# Altium PCB PCB_15122020_01CA.PcbDoc (part 2 of 5) (continued)
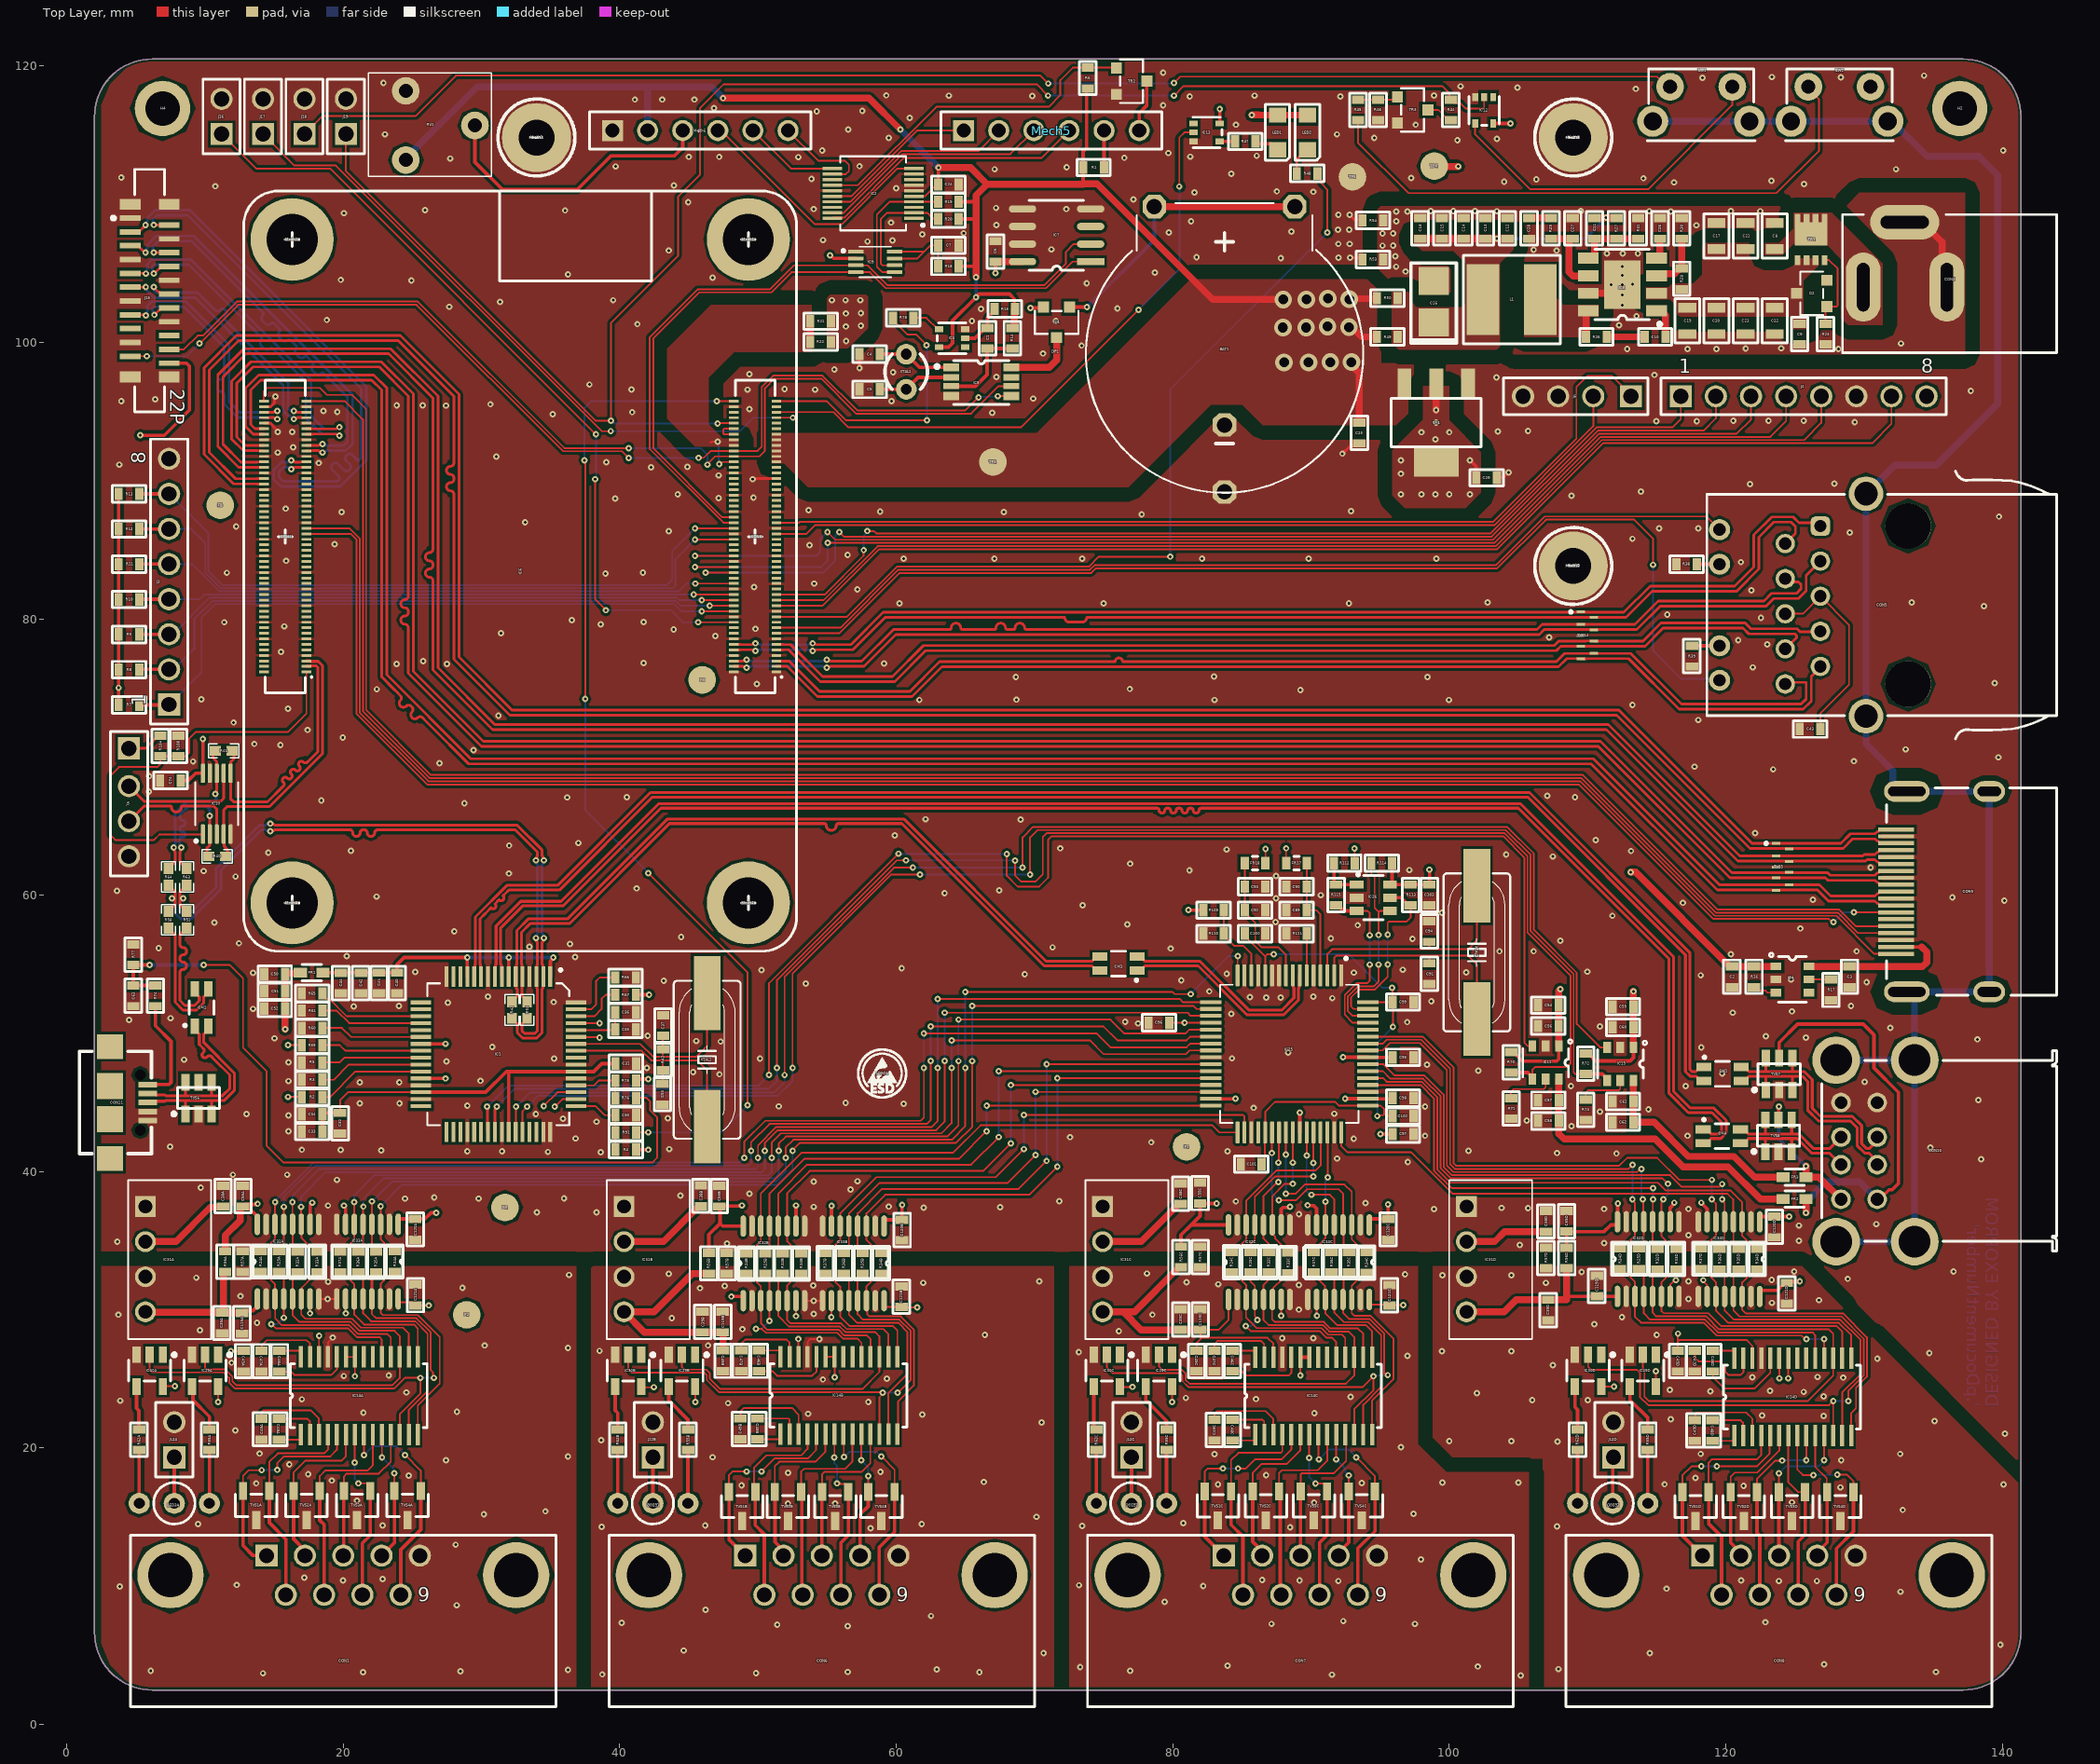
[diagram p0: Top Layer view]
## Part data (continued)
RV1: "10k TRIMPOT", Manufacturer="KLS ELECTRONIC", Category="Resistor- Trimpot", Manufacturer Part Number=L-KLS4-WH06-2A-103, Supplier 1=Özdisan, Supplier Part Number 1=L-KLS4-WH06-2A-103
SW1 SW2: "Tactile Switches 6MM HGH TMP W/SQ ACT R/A TACT SWITCH", Color=Blue, Contact Resistance=100mR, Current Rating=50mA, Manufacturer="TE Connectivity", Max Operating Temperature=85°C, Max Voltage Rating (DC)=24V, Min Operating Temperature=-35°C, Operating Force=1.6N, Package Quantity=1000, Supplier Part Number 1=450-1648-ND, Category="Switches - Tactile Switches", ComponentLink1Description=https://www.alliedelec.com/m/d/d91cbe9e9b8a2a421b86c2a931ba0084.pdf?src-supplier=Allied+Electronics, ComponentLink1URL=https://www.alliedelec.com/m/d/d91cbe9e9b8a2a421b86c2a931ba0084.pdf?src-supplier=Allied+Electronics, ComponentLink2Description=http://www.mouser.com/ds/2/418/NG_CD_1825968_B-122456.pdf?src-supplier=Mouser, ComponentLink2URL=http://www.mouser.com/ds/2/418/NG_CD_1825968_B-122456.pdf?src-supplier=Mouser, ComponentLink3Description=http://www.onlinecomponents.com/productFiles/mf-AO/tyco-tactile.pdf?src-supplier=Onlinecomponents.com, ComponentLink3URL=http://www.onlinecomponents.com/productFiles/mf-AO/tyco-tactile.pdf?src-supplier=Onlinecomponents.com, ComponentLink4Description=http://www.farnell.com/datasheets/2074938.pdf?src-supplier=Element14, ComponentLink4URL=http://www.farnell.com/datasheets/2074938.pdf?src-supplier=Element14, Contact Material=Silver, Contact Plating=Silver, Electrical Life=500000Cycles, Illumination Type=Illuminated, Manufacturer Part Number=FSMRACDAH, Mechanical Life=500000Cycles, Mount="Through Hole,PCB", Orientation="Right Angle", Pricing 1="1 = 0,25000, 10 = 0,23700, 25 = 0,22480, 100 = 0,20350, 250 = 0,18556, 500 = 0,17246, 1000 = 0,14713, 2500 = 0,14304, 5000 = 0,13487 (USD)", REACH SVHC="No SVHC", RoHS=Yes, RoHS Compliant=Yes, Series=FSM, Stock 1=12268, Supplier 1=Digi-Key, Termination=Solder, Throw Configuration=SPST, Voltage Rating (AC)=24V, Voltage Rating (DC)=24V
TP3 TP4 TP5: "test ölçüm noktasý", Category=TestPoint
TR1: "MOSFET BVDSS: 25V 30V POWERDI333", Continuous Drain Current (ID)=35A, Drain to Source Voltage (Vdss)=30V, Input Capacitance=1.674nF, Manufacturer=Diodes, Max Operating Temperature=150°C, Max Power Dissipation=940mW, Min Operating Temperature=-55°C, Supplier Part Number 1=DMP3013SFV-7DICT-ND, Category="Mosfet P-Channel", ComponentLink1Description=https://www.diodes.com/assets/Datasheets/DMP3013SFV.pdf?src-supplier=Digi-Key, ComponentLink1URL=https://www.diodes.com/assets/Datasheets/DMP3013SFV.pdf?src-supplier=Digi-Key, Manufacturer Part Number=DMP3013SFV-7, Mount="Surface Mount", Number of Pins=8, Packaging="Tape and Reel", Pricing 1="1 = 0,55000, 10 = 0,46900, 25 = 0,43760, 100 = 0,32500, 500 = 0,25376, 1000 = 0,20625 (USD)", Rds On Max=9.5mR, RoHS=No, Stock 1=611, Supplier 1=Digi-Key
TR2 TR3: "TRANS NPN 45V 0.1A SOT23", Manufacturer=Nexperia, Supplier Part Number 1=1727-4855-1-ND, Category=Transistor-BJT, ComponentLink1Description=http://www.farnell.com/datasheets/1856333.pdf?src-supplier=Farnell, ComponentLink1URL=http://www.farnell.com/datasheets/1856333.pdf?src-supplier=Farnell, ComponentLink2Description=https://assets.nexperia.com/documents/data-sheet/BC847_SER.pdf?src-supplier=Digi-Key, ComponentLink2URL=https://assets.nexperia.com/documents/data-sheet/BC847_SER.pdf?src-supplier=Digi-Key, ComponentLink3Description=http://www.farnell.com/datasheets/1856333.pdf?src-supplier=Newark, ComponentLink3URL=http://www.farnell.com/datasheets/1856333.pdf?src-supplier=Newark, ComponentLink4Description=http://www.farnell.com/datasheets/1856333.pdf?src-supplier=Element14, ComponentLink4URL=http://www.farnell.com/datasheets/1856333.pdf?src-supplier=Element14, Manufacturer Part Number=BC847,215, Pricing 1="1=0,14000, 10=0,12500, 100=0,06800, 500=0,04186, 1000=0,02854 (USD)", RoHS=No, Stock 1=236151, Supplier 1=Digi-Key
TVS1A TVS1B TVS1C TVS1D TVS2A TVS2B TVS2C TVS2D TVS3A TVS3B TVS3C TVS3D TVS4A TVS4B TVS4C TVS4D: "TVS DIODE 12V 37V SOT23", Manufacturer=Nexperia, Supplier Part Number 1=1727-3809-1-ND, Category="Circuit Protection - TVS - Diodes", ComponentLink1Description=http://www.farnell.com/datasheets/698115.pdf?src-supplier=Farnell, ComponentLink1URL=http://www.farnell.com/datasheets/698115.pdf?src-supplier=Farnell, ComponentLink2Description=https://assets.nexperia.com/documents/data-sheet/PESDXL2BT_SER.pdf?src-supplier=Digi-Key, ComponentLink2URL=https://assets.nexperia.com/documents/data-sheet/PESDXL2BT_SER.pdf?src-supplier=Digi-Key, ComponentLink3Description=http://www.farnell.com/datasheets/698115.pdf?src-supplier=Newark, ComponentLink3URL=http://www.farnell.com/datasheets/698115.pdf?src-supplier=Newark, Manufacturer Part Number=PESD12VL2BT,215, Pricing 1="1 = 0,44000, 10 = 0,35700, 100 = 0,24320, 500 = 0,18240, 1000 = 0,13680 (USD)", RoHS=Yes, RoHS Compliant=Yes, Stock 1=13763, Supplier 1=Digi-Key
TVS5 TVS12: "TVS DIODE 5V 10.5V DFN3810-9", Manufacturer="Wurth Electronics", Supplier Part Number 1=732-11797-1-ND, Category="Circuit Protection - TVS - Diodes", ComponentLink1Description=https://katalog.we-online.de/pbs/datasheet/824014885.pdf?src-supplier=Digi-Key, ComponentLink1URL=https://katalog.we-online.de/pbs/datasheet/824014885.pdf?src-supplier=Digi-Key, Manufacturer Part Number=824014885, Pricing 1="1 = 1,19000, 10 = 1,08000, 100 = 0,97000, 500 = 0,85000, 1000 = 0,76000 (USD)", RoHS=No, Stock 1=5123, Supplier 1=Digi-Key
TVS6 TVS7 TVS8: "WURTH ELEKTRONIK - 824015 - TVS Diode, 82401 Series, Bidirectional, 5 V, 13 V, SOT-23, 6 Pins", Breakdown Voltage=6.1V, Capacitance=2pF, Case/Package=SOT-23, Clamping Voltage=7.8V, Manufacturer="Wurth Electronics", Max Operating Temperature=125°C, Max Reverse Leakage Current=5A, Max Surge Current=12A, Min Breakdown Voltage=6V, Min Operating Temperature=-55°C, Package Quantity=3000, Peak Pulse Current=4A, Power Line Protection=Yes, Reverse Standoff Voltage=5V, Supplier Part Number 1=732-4467-1-ND, Test Current=1mA, Category="Circuit Protection - TVS - Diodes", ComponentLink1Description=https://datasheet.ciiva.com/15063/824015-15063920.pdf?src-supplier=Digi-Key, ComponentLink1URL=https://datasheet.ciiva.com/15063/824015-15063920.pdf?src-supplier=Digi-Key, ComponentLink2Description=https://datasheet.ciiva.com/26308/824015-eng-tds-26308060.pdf?src-supplier=Distrelec, ComponentLink2URL=https://datasheet.ciiva.com/26308/824015-eng-tds-26308060.pdf?src-supplier=Distrelec, Direction=Unidirectional, ESD Protection=Yes, Height=1.16mm, Length=2.9mm, Manufacturer Part Number=824015, Max Breakdown Voltage=6.1V, Mount="Surface Mount", Number of Bidirectional Channels=4, Number of Channels=4, Number of Pins=6, Operating Supply Voltage=6V, Packaging="Tape and Reel", Polarity=Bidirectional, Pricing 1="1 = 0,85000, 10 = 0,80600, 50 = 0,75300, 100 = 0,69900, 500 = 0,61800 (USD)", REACH SVHC=Unknown, RoHS=Yes, Stock 1=15203, Supplier 1=Digi-Key, Termination=SMD/SMT, Width=2.8mm, Working Voltage=5V
VR1: "TEXAS INSTRUMENTS   LM1117MPX-3.3/NOPB.   LINEAR REG, FIX, 3.3V, 800MA, SOT-223-4, FULL REEL", Case/Package=SOT-223, Current Rating=800mA, Dropout Voltage=1.2V, Manufacturer="Texas Instruments", Max Input Voltage=15V, Max Operating Temperature=125°C, Max Output Voltage=3.3V, Min Input Voltage=2.6V, Min Operating Temperature=-40°C, Output Voltage Accuracy=1%, Quiescent Current=10mA, Supplier Part Number 1=LM1117MPX-3.3/NOPBCT-ND, Accuracy=1%, Category="Integrated Circuits (ICs) - PMIC - Voltage Reference", ComponentLink1Description=https://datasheet.ciiva.com/49027/1882372-49027926.pdf?src-supplier=Element14, ComponentLink1URL=https://datasheet.ciiva.com/49027/1882372-49027926.pdf?src-supplier=Element14, Contact Plating=Tin, Height=1.6mm, Lead Free="Lead Free", Length=6.5mm, Manufacturer Part Number=LM1117MPX-3.3/NOPB, Max Output Current=800mA, Mount="Surface Mount", Nominal Output Voltage=3.3V, Number of Outputs=1, Number of Pins=4, Output Current=800mA, Output Type=Fixed, Output Voltage=3.3V, Packaging="Tape and Reel", Polarity=Positive, Pricing 1="1 = 1,14000, 10 = 1,01500, 100 = 0,79120, 500 = 0,65364, 1000 = 0,51603 (USD)", REACH SVHC="No SVHC", RoHS=Yes, Stock 1=74620, Supplier 1=Digi-Key, Width=3.56mm
XTAL1: library part AB26T-32.768KHZ, "CRYSTAL 32.7680KHZ 12.5PF T/H", Case/Package=Radial, ESR (Equivalent Series Resistance)=35kR, Frequency=32.768kHz, Frequency Stability=-0.034ppm, Frequency Tolerance=20ppm, Load Capacitance=12.5pF, Manufacturer=Abracon, Max Operating Temperature=60°C, Min Operating Temperature=-10°C, Package Quantity=500, Supplier Part Number 1=535-9032-ND, Category=Crystals, ComponentLink1Description=https://datasheet.ciiva.com/3174/ab26t-3174133.pdf?src-supplier=Avnet, ComponentLink1URL=https://datasheet.ciiva.com/3174/ab26t-3174133.pdf?src-supplier=Avnet, ComponentLink2Description=https://datasheet.ciiva.com/16506/ab26t-16506517.pdf?src-supplier=Future+Electronics, ComponentLink2URL=https://datasheet.ciiva.com/16506/ab26t-16506517.pdf?src-supplier=Future+Electronics, ComponentLink3Description=https://datasheet.ciiva.com/15223/getdatasheetpartid-720060-15223238.pdf?src-supplier=Verical, ComponentLink3URL=https://datasheet.ciiva.com/15223/getdatasheetpartid-720060-15223238.pdf?src-supplier=Verical, ComponentLink4Description=https://datasheet.ciiva.com/854/ab26t-854460.pdf?src-supplier=Digi-Key, ComponentLink4URL=https://datasheet.ciiva.com/854/ab26t-854460.pdf?src-supplier=Digi-Key, Height=0.244inch, Lead Free="Lead Free", Lead Pitch=0.8mm, Length=2.1mm, Manufacturer Part Number=AB26T-32.768KHZ, Mount="Through Hole", Packaging=Bulk, Pricing 1="1 = 0,21000, 10 = 0,17500, 50 = 0,15760, 100 = 0,14000, 500 = 0,13300, 1000 = 0,11200, 2500 = 0,10500, 5000 = 0,10150, 10000 = 0,09800 (USD)", REACH SVHC=Unknown, RoHS=Yes, Series Resistance=35kR, Stock 1=5808, Supplier 1=Digi-Key, Termination=Radial, Tolerance=20ppm
XTAL2: library part ABLS-24.000MHZ-B2-T, "CRYSTAL 24.0000MHZ 18PF SMD", Case/Package=SMD/SMT, ESR (Equivalent Series Resistance)=40R, Frequency=24MHz, Frequency Stability=50ppm, Frequency Tolerance=20ppm, Load Capacitance=18pF, Manufacturer=Abracon, Max Operating Temperature=70°C, Min Operating Temperature=-20°C, Package Quantity=1000, Supplier Part Number 1=535-9076-1-ND, Category=Crystals, ComponentLink1Description=https://datasheet.ciiva.com/26927/getdatasheetpartid-771243-26927969.pdf?src-supplier=Verical, ComponentLink1URL=https://datasheet.ciiva.com/26927/getdatasheetpartid-771243-26927969.pdf?src-supplier=Verical, ComponentLink2Description=https://datasheet.ciiva.com/15116/getdatasheetpartid-719917-15116794.pdf?src-supplier=Verical, ComponentLink2URL=https://datasheet.ciiva.com/15116/getdatasheetpartid-719917-15116794.pdf?src-supplier=Verical, ComponentLink3Description=https://datasheet.ciiva.com/854/abls-854291.pdf?src-supplier=Digi-Key, ComponentLink3URL=https://datasheet.ciiva.com/854/abls-854291.pdf?src-supplier=Digi-Key, ComponentLink4Description=https://datasheet.ciiva.com/854/abls-854292.pdf?src-supplier=Digi-Key, ComponentLink4URL=https://datasheet.ciiva.com/854/abls-854292.pdf?src-supplier=Digi-Key, ComponentLink5Description=https://datasheet.ciiva.com/854/abls-854293.pdf?src-supplier=Digi-Key, ComponentLink5URL=https://datasheet.ciiva.com/854/abls-854293.pdf?src-supplier=Digi-Key, ComponentLink6Description=https://datasheet.ciiva.com/3175/abls-3175381.pdf?src-supplier=Avnet, ComponentLink6URL=https://datasheet.ciiva.com/3175/abls-3175381.pdf?src-supplier=Avnet, ComponentLink7Description=https://datasheet.ciiva.com/7998/abls-7998426.pdf?src-supplier=Element14, ComponentLink7URL=https://datasheet.ciiva.com/7998/abls-7998426.pdf?src-supplier=Element14, ComponentLink8Description=https://datasheet.ciiva.com/16296/abls-16296138.pdf?src-supplier=Future+Electronics, ComponentLink8URL=https://datasheet.ciiva.com/16296/abls-16296138.pdf?src-supplier=Future+Electronics, Contact Plating=Tin, Depth=4.7mm, Height=0.165inch, Lead Free="Lead Free", Length=11.4mm, Manufacturer Part Number=ABLS-24.000MHZ-B2-T, Mount="Surface Mount", Number of Pins=2, Packaging="Tape and Reel", Pricing 1="1 = 0,50000, 10 = 0,41300, 50 = 0,37120, 100 = 0,33000, 500 = 0,31350 (USD)", Radiation Hardening=No, REACH SVHC="No SVHC", RoHS=Yes, Series Resistance=40R, Stock 1=10538, Supplier 1=Digi-Key, Termination=SMD/SMT, Tolerance=20ppm, Width=0.185inch
XTAL3: "12MHZ, 18PF, HC-49US", ESR (Equivalent Series Resistance)=50R, Frequency=12MHz, Frequency Stability=30ppm, Load Capacitance=18pF, Manufacturer=Abracon, Max Operating Temperature=85°C, Min Operating Temperature=-40°C, Package Quantity=1000, Supplier Part Number 1=535-9869-1-ND, Category=Crystals, ComponentLink1Description=https://datasheet.ciiva.com/15116/getdatasheetpartid-719896-15116779.pdf?src-supplier=Verical, ComponentLink1URL=https://datasheet.ciiva.com/15116/getdatasheetpartid-719896-15116779.pdf?src-supplier=Verical, ComponentLink2Description=https://datasheet.ciiva.com/16208/abls2-16208630.pdf?src-supplier=Future+Electronics, ComponentLink2URL=https://datasheet.ciiva.com/16208/abls2-16208630.pdf?src-supplier=Future+Electronics, ComponentLink3Description=https://datasheet.ciiva.com/854/abls2-854393.pdf?src-supplier=Digi-Key, ComponentLink3URL=https://datasheet.ciiva.com/854/abls2-854393.pdf?src-supplier=Digi-Key, ComponentLink4Description=https://datasheet.ciiva.com/854/abls2-854394.pdf?src-supplier=Digi-Key, ComponentLink4URL=https://datasheet.ciiva.com/854/abls2-854394.pdf?src-supplier=Digi-Key, ComponentLink5Description=https://datasheet.ciiva.com/3175/abls2-3175498.pdf?src-supplier=Avnet, ComponentLink5URL=https://datasheet.ciiva.com/3175/abls2-3175498.pdf?src-supplier=Avnet, ComponentLink6Description=https://datasheet.ciiva.com/854/abls2-854395.pdf?src-supplier=Digi-Key, ComponentLink6URL=https://datasheet.ciiva.com/854/abls2-854395.pdf?src-supplier=Digi-Key, ComponentLink7Description=https://datasheet.ciiva.com/7998/abls2-7998445.pdf?src-supplier=Element14, ComponentLink7URL=https://datasheet.ciiva.com/7998/abls2-7998445.pdf?src-supplier=Element14, Depth=4.7mm, Frequency Tolerance=30ppm, Height=0.13inch, Lead Free="Lead Free", Length=11.4mm, Manufacturer Part Number=ABLS2-12.000MHZ-D4Y-T, Mount="Surface Mount", Number of Pins=2, Packaging="Tape and Reel", Pricing 1="1 = 0,40000, 10 = 0,33600, 50 = 0,30240, 100 = 0,26880, 500 = 0,25536 (USD)", REACH SVHC=Unknown, RoHS=Yes, Series Resistance=50R, Stock 1=149858, Supplier 1=Digi-Key, Termination=SMD/SMT, Tolerance=30ppm, Width=4.7mm
F1 F2 F3 F4 F5: Category=Fiducial
Mech15 Mech16 Mech17: Category=Somun

## Via types
v1: diameter 0.46, hole 0.2, Top Layer to Bottom Layer, tented both sides, 1072 vias
v2: diameter 1.27, hole 0.711, Top Layer to Bottom Layer, tented both sides, 12 vias

## Nets (pads, with @x,y where several pads share a name; then routed paths per layer and width w, separated by ;. In a path a pad name is that pad's centre, name@x,y a point inside that pad or via, vN(x,y) a via of type N, cw(c..) or ccw(c..) an arc to the next point about the centre after c; other vN are vias at no path point)
+3V3: C6.1 C29.2 C50.1 C51.1 C52.1 C55A.2 C55B.2 C55C.2 C55D.2 C74.1 C95.1 C96.1 C97.1 C98.1 C103.2 C120A.2 C120B.2 C120C.2 C120D.2 D1.2 FR1.2 FR17.1 FR18.1 IC1.23 IC1.28 IC1.50 IC1.51 IC1.59 IC1.61 IC7.8 IC9.2 IC10.10 IC12.5 IC13.5 IC25.20 IC25.31 IC25.42 IC25.50 IC25.56 IC26.6 IC32A.10 IC32A.16 IC32B.10 IC32B.16 IC32C.10 IC32C.16 IC32D.10 IC32D.16 IC33A.1 IC33A.7 IC33B.1 IC33B.7 IC33C.1 IC33C.7 IC33D.1 IC33D.7 J4.8 J15.22 LED1.1 LED2.1 R2.2 R4.2 R7.2 R8.2 R9.2 R10.2 R11.2 R12.2 R13.2 R21.2 R22.2 R56A.1 R56B.1 R56C.1 R56D.1 R59.2 R67.2 R75.2 R109.1 R112.2 R113.2 R114.2 SW2.1 TP4.1 VR1.2 VR1.4 | length 143.5
  Top Layer w0.127: v1(15.996,49.15) R59.2@16.996,49.15 ; v1(16,45.405) 16.991,45.405 R2.2@16.996,45.4 ; v1(34.5,44.744) 35.501,45.744 IC1.51@36.834,45.744 ; v1(35.3,44.7) 35.844,45.244 IC1.50@36.834,45.244 ; IC1.59@36.834,49.744 36.857,49.722 38.518,49.722 v1(38.54,49.7) ; IC1.61@36.834,50.744 v1(38.54,50.744) ; C96.1@79.75,50.771 v1(80.85,50.771) IC25.20@82.757,50.771 ; FR18.1@86.707,62.321 86.715,62.329 v1(86.715,63.35) ; v1(88.2,63.4) 88.2,62.328 FR17.1@88.207,62.321 ; v1(93.15,63.375) 93.15,62.337 R112.2@93.166,62.321
  Top Layer w0.254: R7.2@3.75,73.775 v1(3.75,75) R8.2@3.75,76.319 R9.2@3.75,78.863 R10.2@3.75,81.407 R11.2@3.75,83.952 R12.2@3.75,86.496 R13.2@3.75,89.04 ; v1(5.325,93.276) 7.051,93.276 8.875,95.1 8.875,98.275 8.655,98.495 J15.22@7.4,98.495 ; C74.1@8.25,68.3 8.8,68.3 9.325,68.825 IC10.10@9.85,68.825 v1(9.85,71.3) ; IC32A.16@13.789,36.189 13.789,36.764 13.251,37.302 12.927,37.302 C55A.2@12.754,37.475 12.916,37.637 13.762,37.637 v1(13.8,37.675) ; IC32A.10@17.599,36.189 17.599,37.546 17.75,37.697 v1(17.75,37.75) ; v1(20.05,37.545) 20.05,37.492 20.164,37.379 IC33A.7@20.164,36.189 ; IC33A.1@23.974,36.189 23.974,36.508 24.041,36.575 C120A.2@25.2,36.575 25.9,36.575 26.354,37.029 v1(26.725,37.029) ; IC1.28@25.608,46.744 v1(27.4,46.744) ; IC1.23@25.608,49.244 v1(27.4,49.244) ; R67.2@41.171,52.796 41.175,52.8 v1(42.119,52.8) ; R4.2@41.187,41.587 v1(42.068,41.587) ; R75.2@41.187,46.587 41.3,46.7 v1(42.068,46.7) ; R56B.1@46.454,34.114 46.454,35.454 47.25,36.25 ; v1(48.85,37.55) 48.812,37.513 47.238,37.513 C55B.2@47.2,37.475 47.25,37.425 47.25,36.25 ; IC32B.16@48.932,36.064 47.436,36.064 47.25,36.25 ; IC32B.10@52.742,36.064 52.75,36.072 v1(52.75,37.55) ; v1(55.2,106.3) 55.253,106.3 55.478,106.075 IC9.2@57.07,106.075 ; IC33B.7@55.307,36.064 55.316,36.073 55.316,37.516 v1(55.325,37.525) ; IC33B.1@59.117,36.064 59.117,36.451 59.184,36.518 60.418,36.518 C120B.2@60.425,36.525 60.421,36.529 v1(60.421,37.6) ; v1(67.175,105.025) C6.1@67.175,105.825 ; v1(69.715,102.495) 70.595,102.495 D1.2@70.65,102.55 ; R56C.1@80.6,34.575 80.6,35.418 81.333,36.151 ; v1(81.125,58.925) 82.203,58.925 R109.1@82.207,58.921 ; IC25.31@82.757,45.271 v1(84.55,45.271) ; v1(83.175,37.7) C55C.2@81.975,37.7 81.975,36.793 81.333,36.151 ; IC13.5@83.405,115.845 v1(83.405,116.875) ; IC32C.16@84.035,36.151 81.333,36.151 ; IC32C.10@87.845,36.151 87.852,36.158 87.852,37.3 87.965,37.412 88.443,37.412 v1(88.481,37.45) ; IC25.42@89.187,42.841 v1(89.187,44.275) ; v1(89.752,37.575) 89.789,37.537 90.213,37.537 90.41,37.34 IC33C.7@90.41,36.151 ; v1(92.315,48.275) 92.317,48.273 94.115,48.273 IC25.56@94.117,48.271 C95.1@95.907,48.271 ; v1(92.475,45.275) 92.477,45.273 94.115,45.273 IC25.50@94.117,45.271 95.857,45.271 C98.1@95.907,45.321 ; IC33C.1@94.22,36.151 94.22,36.508 94.288,36.575 C120C.2@95.575,36.575 v1(95.575,37.625) ; v1(95.025,42.721) C97.1@95.907,42.721 ; IC26.6@95.716,60.771 IC26.6@95.718,60.773 ; R114.2@95.866,62.321 95.866,60.921 IC26.6@95.718,60.773 ; v1(98.575,61.85) 98.575,60.791 C103.2@98.559,60.775 98.557,60.773 IC26.6@95.718,60.773 ; v1(101.5,91.475) 101.932,91.043 101.932,90.218 C29.2@101.95,90.2 ; IC12.5@103.177,115.843 v1(104.425,115.843) ; R56D.1@108.5,34.5 108.494,34.506 C55D.2@108.494,35.664 111.215,35.664 111.7,36.149 112.106,36.149 112.173,36.217 IC32D.16@112.173,36.375 112.186,36.389 112.186,37.686 v1(112.2,37.7) ; IC32D.10@115.983,36.375 115.983,37.397 116.28,37.694 v1(116.28,37.75) ; v1(118.235,37.75) 118.235,37.723 118.654,37.304 IC33D.7@118.654,36.367 ; IC33D.1@122.464,36.367 122.464,36.683 122.531,36.75 C120D.2@123.529,36.75 v1(124.6,36.75)
  Top Layer w0.5: R56A.1@11.456,34.239 11.456,35.381 12.554,36.479 12.554,37.425 12.604,37.475 C55A.2@12.754,37.475 ; v1(15.8,50.3) 15.796,50.304 C52.1@15.796,51.8 C51.1@15.796,53.05 C50.1@15.796,54.3 15.846,54.35 16.846,54.35 FR1.2@16.896,54.4 ; C6.1@67.175,105.825 67.189,105.839 69.129,105.839 IC7.8@69.135,105.845 ; v1(85.725,116.45) 86.196,116.45 86.202,116.445 LED1.1@87.577,116.445 LED2.1@89.752,116.445 ; TP4.1@98.925,112.75 98.95,112.725 v1(100.65,112.725) ; v1(99.052,95.1) 99.062,95.11 VR1.2@99.062,97
  other v1: 96.5,89 98,89 99,89 100,89.002 101.5,89.002 96.5,90.5 96.5,91.475 99,92.989 98,93.5 100,93.5 99.052,94.2 56.375,100.091 56.35,101.155 57.45,101.2 56.35,102.1 57.45,102.121 55.35,103.05 56.335,103.05 57.4,103.05
+5V: C2.1 C24.1 C25.1 C38A.1 C38B.1 C38C.1 C38D.1 C54.1 C56.1 C59.1 C60.1 CON3.77 CON3.79 CON3.81 CON3.83 CON3.85 CON3.87 IC2.5 IC3.5 IC4.1 IC11.1 IC15.1 IC31A.2 IC31B.2 IC31C.2 IC31D.2 J1.2 R1.2 R6.2 R14.2 R15.2 R16.2 R18.2 R19.1 R20.1 R49.2 R50.2 R70.2 R72.2 RV1.2 TP3.1 VR1.3 | length 174.3
  Top Layer w0.127: IC2.5@61.275,110.575 62.075,110.575 C24.1@63.025,111.525
  Top Layer w0.254: C24.1@63.025,111.425 63.025,111.525 63.05,111.55 v1(63.05,112.65) ; IC3.5@63.1,99.65 63.781,99.65 64.075,99.944 64.075,101.575 v1(65.775,103.275) 66,103.5 68.2,103.5 68.55,103.15 68.55,102.475 R15.2@68.6,102.425 ; R18.2@64.525,105.5 65.775,105.5 ; R20.1@64.525,108.925 65.725,108.925 65.775,108.875 ; R19.1@64.525,110.175 65.775,110.175 ; 73.55,111.45 73.525,111.475 R1.2@73.525,112.65 73.525,113.825 73.775,114.075 73.775,118.3 R6.2@73.85,118.375 ; R70.2@104.475,48.66 104.625,48.66 105.285,48 107.776,48 107.925,48.149 IC11.1@107.925,49.09 ; R72.2@109.873,48.564 110.023,48.564 110.581,48.006 113.085,48.006 113.323,48.244 IC15.1@113.323,48.994
  Top Layer w0.5: IC31A.2@5.689,34.935 7.885,34.935 10.375,37.425 11.25,37.425 C38A.1@11.3,37.475 ; IC31B.2@40.307,34.935 43.16,34.935 45.725,37.5 C38B.1@45.875,37.5 ; v1(47.475,117.675) 58.025,117.675 v1(60.3,115.4) ; v1(63.05,112.65) 65.375,112.65 66.575,111.45 ; v1(65.775,104.725) 65.775,105.5 65.775,108.875 65.775,110.175 65.775,110.65 66.575,111.45 ; R14.2@68.402,101.05 68.5,101.05 68.55,101.1 68.55,102.375 R15.2@68.6,102.425 ; 73.525,111.475 74.525,111.475 82.9,103.1 v2(88,103.1) ; 73.55,111.45 66.575,111.45 ; IC31C.2@74.926,34.935 77.71,34.935 80.425,37.65 C38C.1@80.575,37.65 ; v2(92.75,101.1) 92.958,101.1 93.659,100.4 R49.2@94.774,100.4 ; v2(92.775,103.125) 92.813,103.163 94.737,103.163 R50.2@94.774,103.2 ; v2(92.925,98.575) 92.925,98.367 93.5,97.792 C25.1@93.5,94.2 ; IC31D.2@101.25,34.935 103.286,34.935 104,35.649 C38D.1@107,35.649 ; IC11.1@107.925,49.09 107.922,49.093 107.922,52.037 C54.1@107.919,52.04 107.919,53.093 v1(108.026,53.2) ; v1(113.137,61.671) 113.48,61.671 120.301,54.85 IC4.1@123.625,54.85 ; IC15.1@113.323,48.994 C59.1@113.323,51.944 v1(113.323,53.048)
  Bottom Layer w0.254: v1(65.775,103.275) v1(65.775,104.725)
  Bottom Layer w0.5: RV1.2@24.525,113.2 24.525,113.325 29.7,118.5 42.025,118.5 ; J1.2@42.015,115.325 42.015,118.49 42.025,118.5 ; v1(47.475,117.675) 46.65,118.5 42.025,118.5 ; v1(60.3,115.4) v1(63.05,112.65)
  other v2: 88.05,98.55 89.825,98.55 91.4,98.575 87.975,101.075 89.65,101.075 91.2,101.15 89.675,103.1 91.225,103.175
AnalogIP0: CON3.96
AnalogIP1: CON3.94
BT_nDisable: CON3.91
CAM0_C_N: CON4.40
CAM0_C_P: CON4.42
CAM0_D0_N: CON4.28
CAM0_D0_P: CON4.30
CAM0_D1_N: CON4.34
CAM0_D1_P: CON4.36
CAM1_C_N: CON4.27
CAM1_C_P: CON4.29
CAM1_D0_N: CON4.15
CAM1_D0_P: CON4.17
CAM1_D1_N: CON4.21
CAM1_D1_P: CON4.23
CAM1_D2_N: CON4.33
CAM1_D2_P: CON4.35
CAM1_D3_N: CON4.39
CAM1_D3_P: CON4.41
Camera_GPIO: CON3.97
CHASSIS: CON5.Shell CON9.20 CON10.Shell SW1.3 SW2.3 | length 134.5
  Bottom Layer w0.5: SW1.3@114.725,116 SW1.3@121.725,116 SW2.3@124.725,116 SW2.3@131.725,116 132.033,116 134.583,113.45 138.325,113.45 139.675,112.1 139.675,95.575 135.225,91.125 132.225,91.125 CON5.Shell@130.15,89.05 CON5.Shell@130.15,72.95 130.15,70.95 132.088,69.012 132.088,67.974 132.55,67.512 CON9.20@133.1,67.512 CON9.20@139.06,67.512 CON9.20@139.06,53.012 CON9.20@133.198,53.012 ; CON10.Shell@127.99,34.93 CON10.Shell@133.67,34.93 ; CON10.Shell@127.99,48.07 CON10.Shell@133.66,48.07 ; CON9.20@133.1,53.012 CON9.20@133.198,53.012 ; CON10.Shell@133.66,34.93 CON10.Shell@133.66,48.07 ; CON10.Shell@133.67,48.07 CON10.Shell@133.66,48.07 ; CON9.20@133.198,53.012 133.66,52.55 CON10.Shell@133.66,48.07
CM4_+1V8: CON3.88 CON3.90 | length 1.9
  Top Layer w0.127: CON3.88@48.257,93.352 47.542,93.352 47.479,93.415 47.479,93.678 47.554,93.752 CON3.90@48.257,93.752
CM4_+3V3: CON3.78 CON3.84 CON3.86 R21.1 R22.1 | length 4.8
  Top Layer w0.127: 46.575,92.75 46.65,92.825 v1(47.095,92.825) ; v1(47.2,91.2) 47.287,91.2 47.44,91.352 CON3.78@48.257,91.352
  Top Layer w0.5: R22.1@53.775,100.025 R21.1@53.775,101.525
  Bottom Layer w0.127: v1(47.095,92.825) 47.148,92.773 47.148,91.252 v1(47.2,91.2)
DSI0_C_N: CON4.69
DSI0_C_P: CON4.71
DSI0_D0_N: CON4.57
DSI0_D0_P: CON4.59
DSI0_D1_N: CON4.63
DSI0_D1_P: CON4.65
DSI1_C_N: CON4.87 J15.8 | length 25.2
  Top Layer w0.192: v1(6.3,104.98) 6.256,104.98 6.251,104.975 6.325,105.049 6.404,105.049 6.85,105.495 J15.8@7.4,105.495 ; CON4.87@17.337,93.352 17.341,93.356 17.798,93.356 17.809,93.367 19.461,93.367 19.502,93.326 19.676,93.326 19.725,93.276 v1(19.725,93.251)
  Bottom Layer w0.192: v1(6.3,104.98) 6.296,104.98 6.226,105.049 6.226,105.223 6.185,105.264 6.185,105.513 6.297,105.625 8.825,105.625 13.075,101.375 13.426,101.024 14.127,100.323 ccw(c14.45,100) 14.127,99.677 14.182,99.622 ccw(c14.505,99.945) 14.828,99.622 15.53,98.921 16.15,98.3 17.305,97.145 17.305,94.522 18.46,93.367 19.461,93.367 19.502,93.326 19.676,93.326 19.725,93.276 v1(19.725,93.251)
DSI1_C_P: CON4.89 J15.9 | length 25.1
  Top Layer w0.192: J15.9@4.6,104.995 4.603,104.998 5.722,104.998 5.719,104.995 v1(5.719,104.973) ; CON4.89@17.337,93.752 17.341,93.748 17.798,93.748 17.809,93.737 19.461,93.737 19.502,93.779 19.676,93.779 19.725,93.828 v1(19.725,93.875)
  Bottom Layer w0.192: v1(5.719,104.973) 5.719,104.995 5.774,105.049 5.774,105.223 5.815,105.264 5.815,105.666 6.144,105.995 8.978,105.995 17.675,97.298 17.675,94.675 18.613,93.737 19.461,93.737 19.502,93.779 19.676,93.779 19.725,93.828 v1(19.725,93.875)
DSI1_D0_N: CON4.75 J15.2 | length 39.7
  Top Layer w0.192: v1(6.3,108.505) 6.291,108.505 6.281,108.495 J15.2@7.4,108.495 ; v1(16.25,90.825) 16.25,90.876 16.299,90.926 16.473,90.926 16.514,90.967 16.865,90.967 16.876,90.956 17.333,90.956 CON4.75@17.337,90.952
  Bottom Layer w0.192: v1(6.3,108.505) 6.271,108.505 6.226,108.549 6.226,108.888 6.539,109.2 8.75,109.2 21.3,96.65 21.3,91.629 21.161,91.489 cw(c21.086,91.564) 21.011,91.489 20.64,91.861 ccw(c20.451,91.673) 20.263,91.861 20.221,91.819 ccw(c20.41,91.631) 20.221,91.442 20.479,91.184 cw(c20.291,90.996) 20.479,90.808 20.437,90.766 cw(c20.249,90.954) 20.061,90.766 19.619,91.207 ccw(c19.431,91.019) 19.243,91.207 19.201,91.166 ccw(c19.389,90.977) 19.201,90.789 19.642,90.348 cw(c19.454,90.159) 19.642,89.971 19.621,89.95 19.221,89.95 18.925,89.95 15.641,89.95 15.35,90.241 15.35,90.642 15.675,90.967 15.986,90.967 16.027,90.926 16.201,90.926 16.25,90.876 v1(16.25,90.825)
DSI1_D0_P: CON4.77 J15.3 | length 39.7
  Top Layer w0.192: J15.3@4.6,107.995 5.219,107.995 5.7,108.476 v1(5.7,108.5) ; v1(16.25,91.475) 16.25,91.428 16.299,91.379 16.473,91.379 16.514,91.337 16.865,91.337 16.876,91.348 17.333,91.348 CON4.77@17.337,91.352
  Bottom Layer w0.192: v1(5.7,108.5) 5.724,108.5 5.774,108.549 5.774,108.723 5.815,108.764 5.815,108.999 6.386,109.57 8.903,109.57 21.67,96.803 21.67,91.475 19.775,89.58 15.488,89.58 14.98,90.088 14.98,90.795 15.522,91.337 15.986,91.337 16.027,91.379 16.201,91.379 16.25,91.428 v1(16.25,91.475)
DSI1_D1_N: CON4.81 J15.5 | length 29.1
  Top Layer w0.192: J15.5@4.6,106.995 5.15,106.995 5.596,106.549 5.675,106.549 5.7,106.524 v1(5.7,106.5) ; CON4.81@17.337,92.152 17.341,92.156 17.798,92.156 17.809,92.167 18.236,92.167 18.277,92.126 18.451,92.126 18.496,92.08 v1(18.496,92.025)
  Bottom Layer w0.192: v1(5.7,106.5) 5.724,106.5 5.774,106.549 5.774,106.723 5.815,106.764 5.815,107.041 6.469,107.695 9.178,107.695 20.67,96.203 20.67,92.647 20.19,92.167 18.764,92.167 18.723,92.126 18.549,92.126 18.496,92.072 v1(18.496,92.025)
DSI1_D1_P: CON4.83 J15.6 | length 29
  Top Layer w0.192: v1(6.3,106.505) 6.271,106.505 6.278,106.498 7.398,106.498 J15.6@7.4,106.495 ; CON4.83@17.337,92.552 17.341,92.548 17.798,92.548 17.809,92.537 18.236,92.537 18.277,92.579 18.451,92.579 18.496,92.624 v1(18.496,92.653)
  Bottom Layer w0.192: v1(6.3,106.505) 6.271,106.505 6.226,106.549 6.226,106.929 6.622,107.325 9.025,107.325 13.375,102.975 13.676,102.674 14.18,102.17 cw(c14.082,102.072) 14.18,101.973 ccw(c14.391,101.763) 14.18,101.552 14.361,101.371 ccw(c14.572,101.582) 14.783,101.371 cw(c14.881,101.273) 14.979,101.371 15.385,100.965 cw(c15.287,100.867) 15.385,100.769 ccw(c15.596,100.558) 15.385,100.347 15.566,100.166 ccw(c15.776,100.377) 15.987,100.166 cw(c16.085,100.068) 16.184,100.166 16.589,99.761 cw(c16.491,99.662) 16.589,99.564 ccw(c16.8,99.353) 16.589,99.143 16.77,98.962 ccw(c16.981,99.173) 17.192,98.962 cw(c17.29,98.864) 17.388,98.962 17.794,98.556 cw(c17.696,98.458) 17.794,98.36 ccw(c18.005,98.149) 17.794,97.938 17.975,97.757 ccw(c18.185,97.968) 18.396,97.757 cw(c18.494,97.659) 18.593,97.757 18.75,97.6 20.3,96.05 20.3,92.8 20.037,92.537 18.764,92.537 18.723,92.579 18.549,92.579 18.496,92.632 v1(18.496,92.653)
DSI1_D2_N: CON4.93 J15.11 | length 18
  Top Layer w0.192: J15.11@4.6,103.995 5.719,103.995 v1(5.709,104.005) ; v1(16.425,94.45) 16.425,94.476 16.474,94.526 16.648,94.526 16.689,94.567 16.938,94.567 16.949,94.556 17.333,94.556 CON4.93@17.337,94.552
  Bottom Layer w0.192: v1(5.709,104.005) 5.719,104.005 5.815,103.909 5.815,103.719 6.296,103.238 9.312,103.238 15.647,96.903 15.647,95.232 15.652,95.227 15.652,95.028 15.976,94.704 16.127,94.704 16.381,94.45 v1(16.425,94.45)
DSI1_D2_P: CON4.95 J15.12 | length 18
  Top Layer w0.192: v1(6.3,104.005) 6.3,103.975 6.781,103.495 J15.12@7.4,103.495 ; v1(16.425,95.05) 16.425,95.028 16.474,94.979 16.648,94.979 16.689,94.937 16.938,94.937 16.949,94.948 17.333,94.948 CON4.95@17.337,94.952
  Bottom Layer w0.192: v1(6.3,104.005) 6.3,103.975 6.325,103.951 6.325,103.732 6.449,103.608 9.465,103.608 10.698,102.375 10.739,102.333 ccw(c10.907,102.501) 11.074,102.333 11.105,102.364 cw(c11.272,102.197) 11.44,102.364 11.524,102.28 cw(c11.356,102.113) 11.524,101.946 11.493,101.915 ccw(c11.66,101.747) 11.493,101.58 11.536,101.536 16.017,97.056 16.017,95.385 16.022,95.38 16.022,95.181 16.129,95.074 16.379,95.074 16.403,95.05 v1(16.425,95.05)
DSI1_D3_N: CON4.94 J15.14 | length 18.4
  Top Layer w0.192: v1(6.341,102) 6.341,102.034 6.325,102.049 6.404,102.049 6.85,102.495 J15.14@7.4,102.495 ; CON4.94@14.257,94.552 14.261,94.556 14.701,94.556 14.712,94.567 14.961,94.567 15.002,94.526 15.176,94.526 15.225,94.476 v1(15.225,94.45)
  Bottom Layer w0.192: v1(6.341,102) 6.276,102 6.226,102.049 6.226,102.262 6.185,102.304 6.185,102.463 6.297,102.575 8.475,102.575 11.375,99.675 11.375,98.625 11.375,98.189 11.375,97.535 cw(c11.157,97.535) 11.157,97.317 11.116,97.317 ccw(c11.116,97.099) 10.898,97.099 10.898,96.664 ccw(c11.116,96.664) 11.116,96.446 11.157,96.446 cw(c11.157,96.228) 11.375,96.228 11.375,96.1 11.375,95.547 12.355,94.567 14.961,94.567 15.002,94.526 15.176,94.526 15.225,94.476 v1(15.225,94.45)
DSI1_D3_P: CON4.96 J15.15 | length 18.2
  Top Layer w0.192: J15.15@4.6,101.995 4.603,101.997 5.722,101.997 5.719,101.995 v1(5.719,101.96) ; CON4.96@14.257,94.952 14.261,94.948 14.701,94.948 14.712,94.937 14.961,94.937 15.002,94.979 15.176,94.979 15.225,95.028 v1(15.225,95.05)
  Bottom Layer w0.192: v1(5.719,101.96) 5.719,101.995 5.774,102.049 5.774,102.223 5.815,102.264 5.815,102.616 6.144,102.945 8.628,102.945 11.745,99.828 11.745,95.7 12.508,94.937 14.961,94.937 15.002,94.979 15.176,94.979 15.225,95.028 v1(15.225,95.05)
EE_1_CLK: IC25.62 IC26.4 R114.1 | length 15
  Top Layer w0.127: IC25.62@94.117,51.271 93.004,51.271 92.671,51.604 92.671,52.695 93.38,53.404 94.53,53.404 94.9,53.773 v1(94.9,54.975) ; R114.1@94.366,62.321 94.366,61.534 94.6,61.3 94.6,59.075 94.9,58.775 ; v1(94.9,57.125) 94.9,58.775 ; IC26.4@95.716,58.871 94.996,58.871 94.9,58.775
  Bottom Layer w0.127: v1(94.9,54.975) v1(94.9,57.125)
EE_1_CS: IC25.63 IC26.5 R113.1 | length 13.6
  Top Layer w0.127: IC25.63@94.117,51.771 93.079,51.771 92.9,51.95 92.9,52.6 93.475,53.175 94.625,53.175 95.55,54.1 v1(95.55,55) ; v1(95.55,57.15) 95.55,58 95.65,58.1 96.925,58.1 97.209,58.384 R113.1@97.209,59.275
  Top Layer w0.254: IC26.5@95.716,59.821 96.597,59.821 96.597,59.737 97.059,59.275 R113.1@97.209,59.275
  Bottom Layer w0.127: v1(95.55,55) v1(95.55,57.15)
EE_1_DATA: IC25.61 IC26.3 R115.2 | length 13.1
  Top Layer w0.127: IC26.3@93.316,58.871 94.079,58.871 94.25,58.7 v1(94.25,57.1) ; IC25.61@94.117,50.771 93.029,50.771 92.443,51.357 92.443,52.789 93.286,53.632 94.05,53.632 94.25,53.832 v1(94.25,54.975)
  Top Layer w0.254: R115.2@91.816,59.271 91.966,59.271 92.366,58.871 IC26.3@93.316,58.871
  Bottom Layer w0.127: v1(94.25,54.975) v1(94.25,57.1)
EEPROM_nWP: CON3.20 J16.1 | length 58.8
  Top Layer w0.127: J16.1@11.196,115.075 13.7,112.571 19.056,112.571 v1(38.275,93.352) ; v1(38.225,90.1) 38.225,81.4 v1(39,80.625) ; v1(45.677,79.752) CON3.20@48.257,79.752
  Bottom Layer w0.127: v1(38.225,90.1) 38.275,90.15 v1(38.275,93.352) ; v1(39,80.625) 43.7,80.625 44.573,79.752 v1(45.677,79.752)
Ethernet_nLED1: CON3.19
Ethernet_nLED2: CON3.17 CON5.11 | length 72
  Top Layer w0.127: CON3.17@51.337,79.352 55.954,79.352 60.148,83.546 74.02,83.546 74.348,83.875 103.377,83.875 106.905,87.404 118.606,87.404 CON5.11@119.56,86.45